# Altium PCB graviton.PcbDoc (part 14 of 15) (continued)
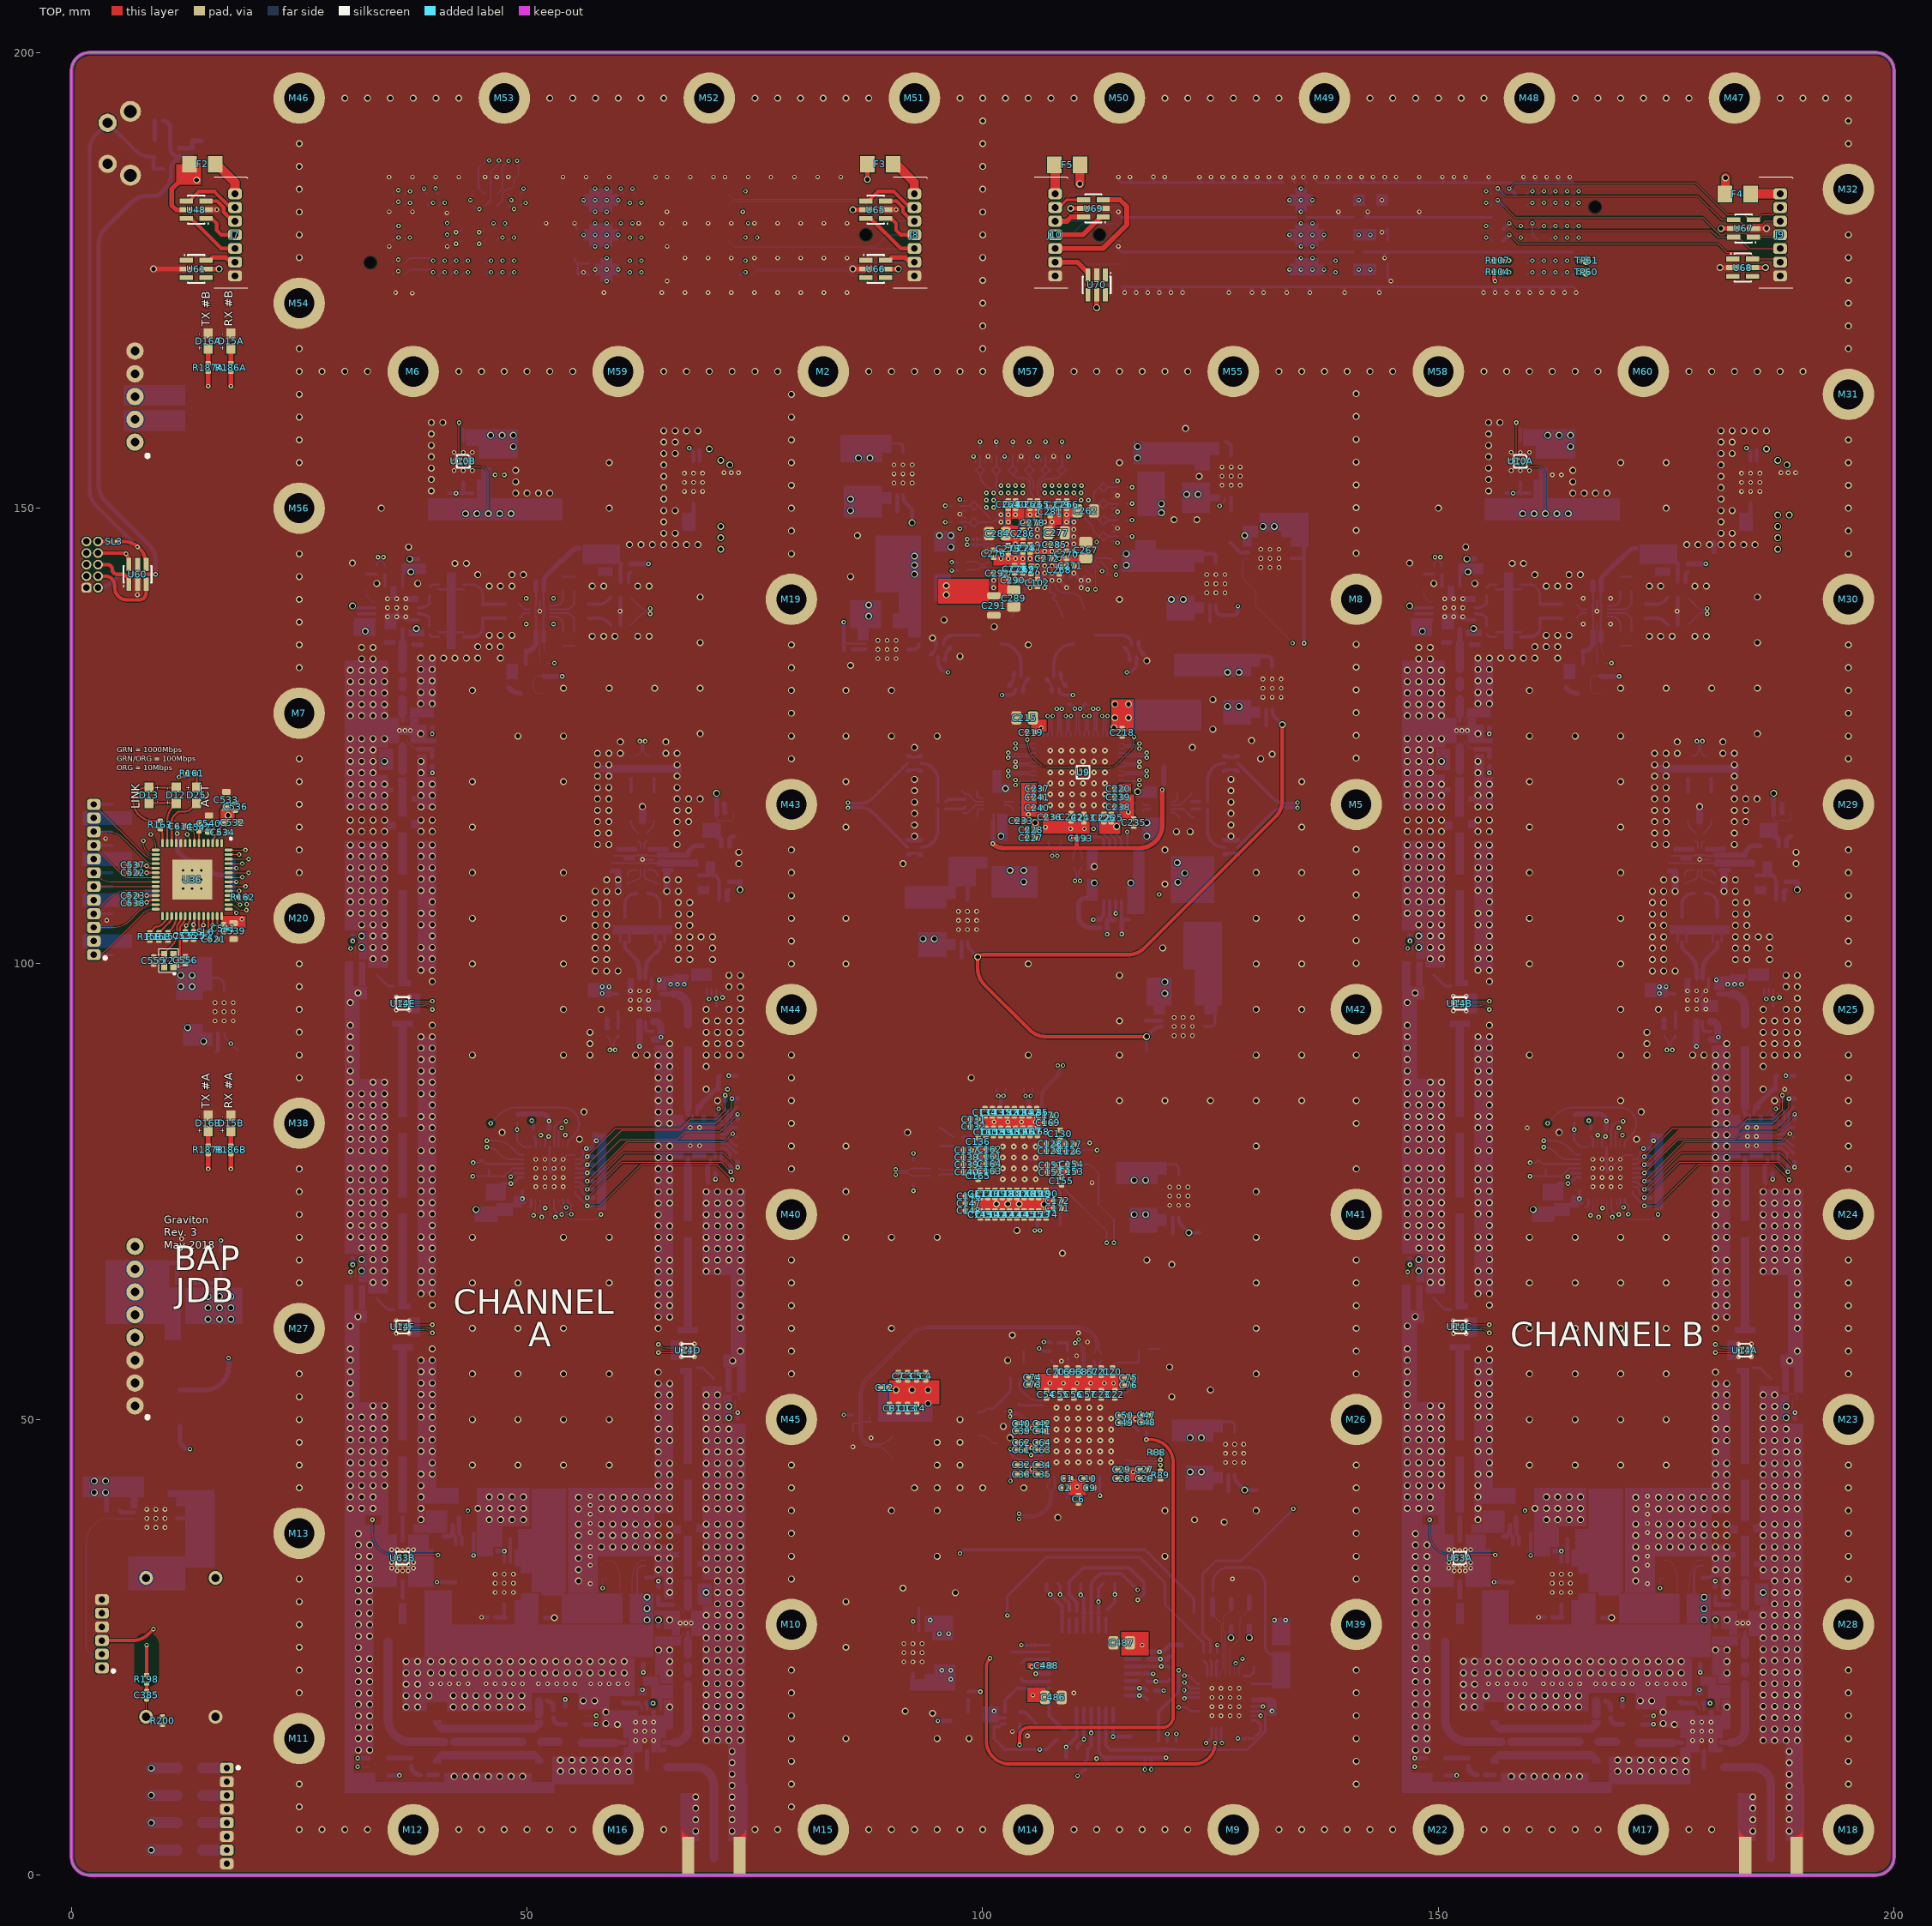
[diagram p0: TOP view]
## Other copper (continued)
  region net GND: 151.97,124.24 151.97,127 150.725,127 150.725,124.24
  region net GND: 150.725,120.75 146,120.75 146,116.925 150.725,116.925
  region net GND: 146,124.24 146,120.75 149.5,120.75 149.5,124.24
  region net GND: 150.725,133.25 146,133.25 146,123.7 150.725,123.7
  rectangle net GND: 153.955,128.175 156,133.25
  region net NetC353B_1: 153.125,128.075 153.125,127.075 155.75,127.075 155.75,128.075
  region net GND: 184.885,9 182.84,9 182.84,3.75 184.885,3.75
  rectangle net GND: 188.115,3.75 190.16,10
  region net GND: 190,20 188.115,20 188.115,10 190,10
  region net GND: 188.115,20 185.275,20 185.275,14.4 188.115,14.4
  region net GND: 168.75,13.023 168.75,10 177.693,10 177.693,13.023
  region net GND: 168.75,10 168.75,10.25 166.5,10.25 166.5,10
  region net GND: 169,9 169,10.25 146,10.25 146,9
  region net GND: 149.12,38.475 146,38.475 146,13.35 149.12,13.35
  region net V29: 179.875,27.625 179.875,30.875 177.275,30.875 177.275,27.625
  region net V28A: 179.875,23.925 179.875,27.5 157.75,27.5 157.75,23.925
  region net NetC494A_2: 176.475,27.625 176.475,30.875 169.8,30.875 169.8,27.625
  region net NetC494A_2: 170.25,31.075 170.25,42.4 166.5,42.4 166.5,31.075
  region net V28A: 167.25,27.1 167.25,30.2 164.6,30.2 164.6,27.1
  region net V28A: 167.25,29.9 167.25,30.95 165.35,30.95 165.35,29.9
  region net NetC494A_2: 166.5,33.9 166.5,35.75 164.6,35.75 164.6,33.9
  region net NetC494A_2: 166.5,33.15 166.5,33.9 165.35,33.9 165.35,33.15
  region net GND: 177.8,20 177.8,23.825 160.5,23.825 160.5,20
  region net GND: 160.5,20 160.5,23.825 152.35,23.825 152.35,20
  region net GND: 147.325,27.85 147.325,32 146,32 146,27.85
  region net GND: 146,37.625 146,31.125 148.725,31.125 148.725,37.625
  region net GND: 166.25,38.25 166.25,42.5 160.5,42.5 160.5,38.25
  region net GND: 162.25,35 162.25,38.25 160.5,38.25 160.5,35
  region net NetC494A_2: 166.5,35.75 166.5,38 165,38 165,35.75
  region net GND: 163.25,36 163.25,38.25 162.25,38.25 162.25,36
  region net GND: 173.75,31 173.75,42.5 170.5,42.5 170.5,31
  region net GND: 180,35 180,42.5 173.75,42.5 173.75,35
  region net GND: 155,18 155,20 152.35,20 152.35,18
  region net GND: 157.25,19 157.25,20 155,20 155,19
  region net GND: 149.35,10.25 149.35,11.225 146,11.225 146,10.25
  region net GND: 147,11.225 147,13.35 146,13.35 146,11.225
  region net GND: 175,18.175 175,20 171.65,20 171.65,18.175
  region net GND: 175,16.253 175,18.175 174.25,18.175 174.25,16.253
  region net GND: 178.15,16.153 178.15,18.075 175,18.075 175,16.153
  region net GND: 181.23,14.038 179.65,14.038 179.65,13.457 181.23,13.457
  region net GND: 180.15,16.9 180.15,18.118 179.65,18.118 179.65,16.9
  region net T2A: 152.782,120.478 151.868,120.478 151.868,116.978 152.782,116.978
  region net GND: 185.65,78.65 185.65,80.5 184.15,80.5 184.15,78.65
  region net GND: 186.65,79.3 186.65,82.8 182,82.8 182,79.3
  region net GND: 183.15,78.65 183.15,79.8 182,79.8 182,78.65
  region net GND: 183.15,82.3 183.15,83.45 181.8,83.45 181.8,82.3
  region net GND: 187.3,82.8 187.3,83.45 186.65,83.45 186.65,82.8
  region net GND: 185.65,82 185.65,83.45 185.15,83.45 185.15,82
  rectangle net R5A: 183.193,84.307 184.107,89.2
  region net V3V8: 96.75,26.75 96.75,28.5 93.65,28.5 93.65,26.75
  region net V3V8: 96.75,25.75 96.75,26.75 94.5,26.75 94.5,25.75
  region net V3: 97,20.25 97,23.125 94.675,23.125 94.675,20.25
  region net V3: 94.675,20.25 94.675,22.1 93.65,22.1 93.65,20.25
  region net V3: 93.65,20.25 93.65,21.5 92,21.5 92,20.25
  region net V3V3-CLK: 94.5,49.75 94.5,54 88.5,54 88.5,49.75
  region net V3V8: 125.311,42.25 125.311,44.965 122.25,44.965 122.25,42.25
  region net V3V8: 126.336,43 126.336,44.25 125.25,44.25 125.25,43
  region net V3V3-CLK: 125.311,47.565 125.311,50 120.75,50 120.75,47.565
  region net V3V3-CLK: 126.336,48.59 126.336,50 125.311,50 125.311,48.59
  region net NetL17A_2: 152.595,30.25 152.595,32.45 152.095,32.45 152.095,30.25
  region net NetL3A_2: 152.595,36.55 152.595,39.425 152.095,39.425 152.095,36.55
  region net T5A: 152.807,39.76 152.807,44.838 151.893,44.838 151.893,39.76
  rectangle net T5A: 151.893,44.838 152.807,45.956
  region net NetL17A_2: 152.775,27.525 152.775,29.86 151.93,29.86 151.93,27.525
  region net V3: 112.625,109.275 111.425,109.275 111.425,106.925 112.625,106.925
  region net GND: 112.625,112.625 111.45,112.625 111.45,110.275 112.625,110.275
  rectangle net V3: 115.875,105.475 117.75,109.275
  rectangle net V3: 116.525,109.275 117.75,112.625
  region net VDDA: 163.7,74.025 163.7,75.85 161.45,75.85 161.45,74.025
  region net VDDA: 163.7,75.275 163.7,76.1 163.05,76.1 163.05,75.275
  region net VDDA: 174.675,73 174.675,81.375 173.725,81.375 173.725,73
  region net VDDA: 173.8,80.275 173.8,81.5 173.2,81.5 173.2,80.275
  region net VCCA: 162.725,71.675 162.725,73.375 160.25,73.375 160.25,71.675
  region net VCCA: 164.45,72.35 164.45,73.725 162.625,73.725 162.625,72.35
  region net VCCA: 165.8,73.625 165.8,74.525 164.55,74.525 164.55,73.625
  region net VCCA: 165.375,73.275 165.375,73.725 164.35,73.725 164.35,73.275
  region net NetC295A_2: 185.07,83.95 185.07,84.25 184.65,84.25 184.65,83.95
  region net GND: 182.045,25.075 180.625,25.075 180.625,21 182.045,21
  region net GND: 182.045,19.25 181.05,19.25 181.05,16.038 182.045,16.038
  region net GND: 177.8,19.65 177.8,20.125 174.975,20.125 174.975,19.65
  region net VCCA: 179.05,19.73 179.05,20.6 178.225,20.6 178.225,19.73
  region net NetC505A_2: 182.045,19.425 182.045,20.875 179.575,20.875 179.575,19.425
  region net NetC505A_2: 180.5,20.8 180.5,21.825 178.75,21.825 178.75,20.8
  region net NetC353A_1: 182.875,25.175 182.875,26.175 180,26.175 180,25.175
  region net GND: 180.625,21.925 180.625,25.075 180.05,25.075 180.05,21.925
  region net GND: 148.225,37.6 148.225,42.5 146,42.5 146,37.6
  region net NetC31A_2: 157.25,37.585 157.25,38.515 153.575,38.515 153.575,37.585
  region net GND: 150.725,39.5 150.725,42.5 147.75,42.5 147.75,39.5
  region net GND: 150.725,32 150.725,39.5 150,39.5 150,32
  region net GND: 151.5,33 151.5,36 150.25,36 150.25,33
  region net GND: 158.5,40.75 158.5,42.5 153.975,42.5 153.975,40.75
  region net GND: 154.75,38.625 154.75,40.75 153.975,40.75 153.975,38.625
  region net GND: 150,32 150,38.475 148.075,38.475 148.075,32
  region net GND: 155.75,31.63 155.75,35.8 152.967,35.8 152.967,31.63
  region net GND: 151.723,31.63 151.723,33.2 149,33.2 149,31.63
  region net GND: 149,37.37 149,35.8 151.723,35.8 151.723,37.37
  region net GND: 152.968,37.37 152.968,35.725 155.2,35.725 155.2,37.37
  region net NetC31A_2: 157.25,38.5 157.25,40 154.865,40 154.865,38.5
  region net V3V8_SNS: 10.75,60.5 10.75,67.5 3.75,67.5 3.75,60.5
  region net V3V8_SNS: 12,60.5 12,64.5 10.75,64.5 10.75,60.5
  region net V3V8: 18.75,60.5 18.75,64.5 12.5,64.5 12.5,60.5
  region net V3: 101.75,16.75 101.75,18.5 100,18.5 100,16.75
  region net V5TELEM: 133.75,20.5 133.75,24.5 131.75,24.5 131.75,20.5
  region net V3: 132,19 132,19.5 129.5,19.5 129.5,19
  region net V3: 132.25,17.5 132.25,19.32 131.25,19.32 131.25,17.5
  region net V5V5: 133.75,25.25 133.75,28.25 131.75,28.25 131.75,25.25
  region net NetC31B_2: 41.25,38.5 41.25,40 38.865,40 38.865,38.5
  region net GND: 36.968,37.37 36.968,35.725 39.2,35.725 39.2,37.37
  region net GND: 33,37.37 33,35.8 35.723,35.8 35.723,37.37
  region net GND: 35.723,31.63 35.723,33.2 33,33.2 33,31.63
  region net GND: 39.75,31.63 39.75,35.8 36.968,35.8 36.968,31.63
  region net GND: 34,32 34,38.475 32.075,38.475 32.075,32
  region net GND: 38.75,38.625 38.75,40.75 37.975,40.75 37.975,38.625
  region net GND: 42.5,40.75 42.5,42.5 37.975,42.5 37.975,40.75
  region net GND: 35.5,33 35.5,36 34.25,36 34.25,33
  region net GND: 34.725,32 34.725,39.5 34,39.5 34,32
  region net GND: 34.725,39.5 34.725,42.5 31.75,42.5 31.75,39.5
  region net NetC31B_2: 41.25,37.585 41.25,38.515 37.575,38.515 37.575,37.585
  region net GND: 32.225,37.6 32.225,42.5 30,42.5 30,37.6
  region net GND: 64.625,21.925 64.625,25.075 64.05,25.075 64.05,21.925
  region net NetC353C_1: 66.875,25.175 66.875,26.175 64,26.175 64,25.175
  region net NetC505B_2: 64.5,20.8 64.5,21.825 62.75,21.825 62.75,20.8
  region net NetC505B_2: 66.045,19.425 66.045,20.875 63.575,20.875 63.575,19.425
  region net VCCB: 63.05,19.73 63.05,20.6 62.225,20.6 62.225,19.73
  region net GND: 61.8,19.65 61.8,20.125 58.975,20.125 58.975,19.65
  region net GND: 66.045,19.25 65.05,19.25 65.05,16.038 66.045,16.038
  region net GND: 66.045,25.075 64.625,25.075 64.625,21 66.045,21
  region net NetC295B_2: 69.07,83.95 69.07,84.25 68.65,84.25 68.65,83.95
  region net VCCB: 49.375,73.275 49.375,73.725 48.35,73.725 48.35,73.275
  region net VCCB: 49.8,73.625 49.8,74.525 48.55,74.525 48.55,73.625
  region net VCCB: 48.45,72.35 48.45,73.725 46.625,73.725 46.625,72.35
  region net VCCB: 46.725,71.675 46.725,73.375 44.25,73.375 44.25,71.675
  region net VDDB: 57.8,80.275 57.8,81.5 57.2,81.5 57.2,80.275
  region net VDDB: 58.675,73 58.675,81.375 57.725,81.375 57.725,73
  region net VDDB: 47.7,75.275 47.7,76.1 47.05,76.1 47.05,75.275
  region net VDDB: 47.7,74.025 47.7,75.85 45.45,75.85 45.45,74.025
  region net NetL17B_2: 36.775,27.525 36.775,29.86 35.93,29.86 35.93,27.525
  rectangle net T5B: 35.893,44.838 36.807,45.956
  region net T5B: 36.807,39.76 36.807,44.838 35.893,44.838 35.893,39.76
  region net NetL3B_2: 36.595,36.55 36.595,39.425 36.095,39.425 36.095,36.55
  region net NetL17B_2: 36.595,30.25 36.595,32.45 36.095,32.45 36.095,30.25
  region net GND: 69.65,82 69.65,83.45 69.15,83.45 69.15,82
  region net GND: 71.3,82.8 71.3,83.45 70.65,83.45 70.65,82.8
  region net GND: 67.15,82.3 67.15,83.45 65.8,83.45 65.8,82.3
  region net GND: 67.15,78.65 67.15,79.8 66,79.8 66,78.65
  region net GND: 70.65,79.3 70.65,82.8 66,82.8 66,79.3
  region net GND: 69.65,78.65 69.65,80.5 68.15,80.5 68.15,78.65
  region net T2B: 36.782,120.478 35.868,120.478 35.868,116.978 36.782,116.978
  region net GND: 64.15,16.9 64.15,18.118 63.65,18.118 63.65,16.9
  region net GND: 65.23,14.038 63.65,14.038 63.65,13.457 65.23,13.457
  region net GND: 62.15,16.153 62.15,18.075 59,18.075 59,16.153
  region net GND: 59,16.253 59,18.175 58.25,18.175 58.25,16.253
  region net GND: 59,18.175 59,20 55.65,20 55.65,18.175
  region net GND: 31,11.225 31,13.35 30,13.35 30,11.225
  region net GND: 33.35,10.25 33.35,11.225 30,11.225 30,10.25
  region net GND: 41.25,19 41.25,20 39,20 39,19
  region net GND: 39,18 39,20 36.35,20 36.35,18
  region net GND: 64,35 64,42.5 57.75,42.5 57.75,35
  region net GND: 57.75,31 57.75,42.5 54.5,42.5 54.5,31
  region net GND: 47.25,36 47.25,38.25 46.25,38.25 46.25,36
  region net NetC494B_2: 50.5,35.75 50.5,38 49,38 49,35.75
  region net GND: 46.25,35 46.25,38.25 44.5,38.25 44.5,35
  region net GND: 50.25,38.25 50.25,42.5 44.5,42.5 44.5,38.25
  region net GND: 30,37.625 30,31.125 32.725,31.125 32.725,37.625
  region net GND: 31.325,27.85 31.325,32 30,32 30,27.85
  region net GND: 44.5,20 44.5,23.825 36.35,23.825 36.35,20
  region net GND: 61.8,20 61.8,23.825 44.5,23.825 44.5,20
  region net NetC494B_2: 50.5,33.15 50.5,33.9 49.35,33.9 49.35,33.15
  region net NetC494B_2: 50.5,33.9 50.5,35.75 48.6,35.75 48.6,33.9
  region net V28B: 51.25,29.9 51.25,30.95 49.35,30.95 49.35,29.9
  region net V28B: 51.25,27.1 51.25,30.2 48.6,30.2 48.6,27.1
  region net NetC494B_2: 54.25,31.075 54.25,42.4 50.5,42.4 50.5,31.075
  region net NetC494B_2: 60.475,27.625 60.475,30.875 53.8,30.875 53.8,27.625
  region net V28B: 63.875,23.925 63.875,27.5 41.75,27.5 41.75,23.925
  region net V29: 63.875,27.625 63.875,30.875 61.275,30.875 61.275,27.625
  region net GND: 33.12,38.475 30,38.475 30,13.35 33.12,13.35
  region net GND: 53,9 53,10.25 30,10.25 30,9
  region net GND: 52.75,10 52.75,10.25 50.5,10.25 50.5,10
  region net GND: 52.75,13.023 52.75,10 61.693,10 61.693,13.023
  region net GND: 72.115,20 69.275,20 69.275,14.4 72.115,14.4
  region net GND: 74,20 72.115,20 72.115,10 74,10
  region net NetC353D_1: 37.125,128.075 37.125,127.075 39.75,127.075 39.75,128.075
  rectangle net GND: 37.955,128.175 40,133.25
  region net GND: 34.725,133.25 30,133.25 30,123.7 34.725,123.7
  region net GND: 30,124.24 30,120.75 33.5,120.75 33.5,124.24
  region net GND: 34.725,120.75 30,120.75 30,116.925 34.725,116.925
  region net GND: 35.97,124.24 35.97,127 34.725,127 34.725,124.24
  region net VCCB: 33.75,123.6 33.75,121.25 35.3,121.25 35.3,123.6
  region net GND: 39,120.5 39,117 40,117 40,120.5
  region net GND: 34.2,119.4 34.2,118.8 35.345,118.8 35.345,119.4
  region net GND: 39,124.75 39,124.25 40,124.25 40,124.75
  region net GND: 38.09,124.24 38.09,126.95 37.21,126.95 37.21,124.24
  region net GND: 38,126.25 38,124.25 39,124.25 39,126.25
  rectangle net GND: 37.965,117 39,123
  region net GND: 38.465,117.8 38.465,118.4 37.32,118.4 37.32,117.8
  region net GND: 65,32.75 65,36.25 64,36.25 64,32.75
  region net GND: 65,28.5 65,29 64,29 64,28.5
  region net GND: 66,27 66,29 65,29 65,27
  region net GND: 74,29.01 74,32.5 70.5,32.5 70.5,29.01
  region net GND: 65.535,35.45 65.535,34.85 66.68,34.85 66.68,35.45
  rectangle net GND: 69.275,32.425 74,40.5
  region net GND: 66.035,36.25 65,36.25 65,30.25 66.035,30.25
  region net R1B: 68.107,37.25 67.193,37.25 67.193,36.25 68.107,36.25
  region net R3B: 68.107,77.793 67.193,77.793 67.193,74.975 68.107,74.975
  rectangle net R1B: 67.193,32.75 68.107,36.25
  rectangle net GND: 69.275,20 74,29.55
  region net VCCB: 70.25,29.65 70.25,32 68.7,32 68.7,29.65
  region net GND: 68.03,29.01 68.03,26.25 69.275,26.25 69.275,29.01
  region net GND: 69.8,33.85 69.8,34.45 68.655,34.45 68.655,33.85
  region net GND: 65.91,29.01 65.91,26.3 66.79,26.3 66.79,29.01
  region net NetC257F_1: 36.807,48.824 35.893,48.824 35.893,47.706 36.807,47.706
  region net GND: 66.975,120.975 66.975,121.85 57.975,121.85 57.975,120.975
  region net GND: 64.7,94.74 64.7,96.04 62.8,96.04 62.8,94.74
  region net GND: 61.7,98.45 61.04,98.45 61.04,96.55 61.7,96.55
  region net RI_VCCB: 67.7,111.6 67.7,112.247 64.225,112.247 64.225,111.6
  region net RI_VSSB: 68.745,110.7 68.745,111.447 64.3,111.447 64.3,110.7
  region net GND: 62.065,112.35 62.065,112.85 59.805,112.85 59.805,112.35
  region net RI_VSSB: 66.025,110.947 66.025,111.147 63.815,111.147 63.815,110.947
  region net RI_VCCB: 65.725,111.747 65.725,111.947 63.815,111.947 63.815,111.747
  region net GND: 65.525,112.35 65.525,112.85 63.265,112.85 63.265,112.35
  region net NetC355B_2: 59.25,97.9 56.65,97.9 56.65,96.35 59.25,96.35
  region net NetC206B_2: 70.275,99.5 68,99.5 68,98.095 70.275,98.095
  region net NetC464B_2: 68.5,147.5 68.5,149.5 67,149.5 67,147.5
  rectangle net VCCB: 45,152.9 46,154.5
  rectangle net VCCB: 44.475,150.55 46,153.15
  rectangle net V5V5: 43.3,156.85 44.7,158.65
  rectangle net V5V5: 44.7,155.45 49,158.65
  rectangle net VCCB: 39.1,148.65 53.9,151.075
  region net RI_VCCB: 61.515,111.747 61.515,111.947 59.5,111.947 59.5,111.747
  region net RI_VSSB: 61.515,110.947 61.515,111.147 59.175,111.147 59.175,110.947
  region net VCCB: 32.5,65.03 32.5,68 31.565,68 31.565,65.03
  region net NetR117B_1: 57.8,143.5 57.8,142.6 59.4,142.6 59.4,143.5
  region net V2V5NIF-TXB: 56.1,146 56.1,143.9 60.2,143.9 60.2,146
  region net V28B: 41.75,23.925 41.75,31.27 38.75,31.27 38.75,23.925
  region net GND: 62.65,13.457 62.65,15.257 61.15,15.257 61.15,13.457
  region net GND: 64.65,13.457 64.65,15.257 63.65,15.257 63.65,13.457
  region net GND: 65.23,17.538 62,17.538 62,15.038 65.23,15.038
  rectangle net GND: 60.57,15.038 62.37,16.4
  rectangle net GND: 60.57,12.757 61.693,14.038
  region net NetC257F_1: 36.807,53.345 35.893,53.345 35.893,48.824 36.807,48.824
  region net NetC257F_1: 36.807,57.587 35.893,57.587 35.893,53.345 36.807,53.345
  region net NetC257F_1: 35.22,58.247 35.22,57.587 37.48,57.587 37.48,58.247
  rectangle net NetC256F_2: 35.893,62.717 36.807,67.213
  region net NetC256F_2: 37.239,62.057 37.239,62.717 35.893,62.717 35.893,62.057
  region net NetC256F_2: 36.807,72.6 35.893,72.6 35.893,71.483 36.807,71.483
  rectangle net T4B: 35.893,74.35 36.807,78
  region net NetC256F_2: 36.807,71.483 35.893,71.483 35.893,67.213 36.807,67.213
  region net R2B: 68.107,38.875 68.107,39.75 67.193,39.75 67.193,38.875
  region net GND: 40,42.5 40,56.506 37.975,56.506 37.975,42.5
  region net GND: 34.725,42.5 34.725,51.9 30,51.9 30,42.5
  rectangle net GND: 37.975,63.8 40,78
  region net GND: 30,78 30,68.175 34.725,68.175 34.725,78
  region net GND: 32.45,60.6 32.45,62 30,62 30,60.6
  region net NetC210F_2: 31.565,64.75 31.565,62.1 32.25,62.1 32.25,64.75
  region net GND: 30.95,64.8 30,64.8 30,62 30.95,62
  region net GND: 31.65,51.9 31.65,60.6 30,60.6 30,51.9
  region net GND: 34.725,63.8 34.725,68.175 32.6,68.175 32.6,63.8
  region net GND: 38.255,59.06 38.255,61.244 37.05,61.244 37.05,59.06
  region net GND: 38.255,94.56 38.255,96.744 37.05,96.744 37.05,94.56
  region net GND: 32.45,96.1 32.45,97.5 30,97.5 30,96.1
  region net GND: 30.95,100.3 30,100.3 30,97.5 30.95,97.5
  region net GND: 31.65,87.4 31.65,96.1 30,96.1 30,87.4
  region net VCCB: 32.5,100.53 32.5,103.5 31.565,103.5 31.565,100.53
  region net GND: 40,78 40,92.006 37.975,92.006 37.975,78
  rectangle net GND: 37.975,99.3 40,113.5
  region net GND: 34.725,99.6 34.725,103.675 32.6,103.675 32.6,99.6
  region net GND: 34.725,78 34.725,87.4 30,87.4 30,78
  region net GND: 30,113.5 30,103.675 34.725,103.675 34.725,113.5
  region net NetC257E_1: 36.807,88.845 35.893,88.845 35.893,84.324 36.807,84.324
  rectangle net NetC256E_2: 35.893,98.217 36.807,102.713
  rectangle net T3B: 35.893,109.85 36.807,113.725
  region net NetC256E_2: 36.807,106.983 35.893,106.983 35.893,102.713 36.807,102.713
  region net NetC257E_1: 36.807,93.087 35.893,93.087 35.893,88.845 36.807,88.845
  region net T4B: 36.807,78 36.807,80.338 35.893,80.338 35.893,78
  region net NetC257E_1: 36.807,84.324 35.893,84.324 35.893,83.206 36.807,83.206
  region net NetC256E_2: 36.807,108.1 35.893,108.1 35.893,106.983 36.807,106.983
  region net NetC256E_2: 37.239,97.557 37.239,98.217 35.893,98.217 35.893,97.557
  region net NetC257E_1: 35.22,93.747 35.22,93.087 37.48,93.087 37.48,93.747
  rectangle net T4B: 35.893,80.338 36.807,81.456
  region net NetC210E_2: 31.565,100.25 31.565,97.6 32.25,97.6 32.25,100.25
  region net T2B: 36.807,116.125 36.807,117 35.893,117 35.893,116.125
  region net T3B: 35.893,114.4 35.893,113.5 36.807,113.5 36.807,114.4
  region net GND: 35.571,115.637 34.671,115.637 34.671,114.722 35.571,114.722
  rectangle net GND: 37.271,114.863 38.171,115.778
  region net GND: 65.745,58.69 65.745,56.506 66.95,56.506 66.95,58.69
  region net GND: 71.55,57.15 71.55,55.75 74,55.75 74,57.15
  rectangle net GND: 73.05,52.95 74,55.75
  region net GND: 72.35,65.85 72.35,57.15 74,57.15 74,65.85
  region net VCCB: 71.5,52.72 71.5,49.75 72.435,49.75 72.435,52.72
  region net GND: 64,91 64,61.244 66.025,61.244 66.025,91
  region net GND: 66.025,53.95 64,53.95 64,39.75 66.025,39.75
  region net GND: 69.275,53.65 69.275,49.575 71.4,49.575 71.4,53.65
  region net GND: 69.275,75.25 69.275,65.85 74,65.85 74,75.25
  region net GND: 74,39.75 74,49.575 69.275,49.575 69.275,39.75
  region net NetC210D_2: 72.435,53 72.435,55.65 71.75,55.65 71.75,53
  rectangle net NetC257D_1: 67.193,64.405 68.107,68.926
  region net NetC256D_2: 68.107,55.693 67.193,55.693 67.193,50.537 68.107,50.537
  region net R2B: 68.107,43.4 67.193,43.4 67.193,39.75 68.107,39.75
  rectangle net NetC256D_2: 67.193,46.267 68.107,50.537
  rectangle net NetC257D_1: 67.193,60.163 68.107,64.405
  region net R3B: 67.193,75.25 67.193,72.912 68.107,72.912 68.107,75.25
  rectangle net NetC257D_1: 67.193,68.926 68.107,70.044
  rectangle net NetC256D_2: 67.193,45.15 68.107,46.267
  region net NetC256D_2: 66.761,55.693 66.761,55.033 68.107,55.033 68.107,55.693
  region net NetC257D_1: 68.78,59.503 68.78,60.163 66.52,60.163 66.52,59.503
  region net R3B: 68.107,72.912 67.193,72.912 67.193,71.794 68.107,71.794
  region net GND: 66.871,38.387 65.971,38.387 65.971,37.472 66.871,37.472
  rectangle net GND: 68.571,37.613 70,38.528
  region net NetC355B_2: 67.57,97.5 67.57,98.62 64.25,98.62 64.25,97.5
  region net NetC355B_2: 65.325,97.075 65.325,97.5 64.25,97.5 64.25,97.075
  region net GND: 65.955,103.25 65.955,104.25 59.375,104.25 59.375,103.25
  region net NetR38B_1: 70,107.625 70,108.505 68.725,108.505 68.725,107.625
  region net V2V5NIF-RXB: 70.625,109.95 70.625,111.25 69.605,111.25 69.605,109.95
  region net V2V5NIF-RXB: 70.625,109.5 70.625,109.95 68.725,109.95 68.725,109.5
  region net V2V5IF-RXB: 71.25,113.83 71.25,115.5 69.275,115.5 69.275,113.83
  region net RI_VCCB: 61.8,111.35 61.8,111.85 60.6,111.85 60.6,111.35
  region net GND: 35.69,136.715 35.69,138.5 34.39,138.5 34.39,136.715
  region net GND: 35.69,140 35.69,141.435 35.04,141.435 35.04,140
  rectangle net GND: 36.615,139.725 38.05,140.375
  region net NetC368B_2: 33.33,136 33.33,137.925 31,137.925 31,136
  region net NetC368B_2: 38.9,142.775 38.9,143.95 36.35,143.95 36.35,142.775
  region net NetC368B_2: 38.75,135.93 38.75,136.715 36.99,136.715 36.99,135.93
  region net GND: 42.19,134.53 42.19,142.97 41.19,142.97 41.19,134.53
  rectangle net TI_VCCB: 50.9,135.21 51.1,137.55
  rectangle net TI_VSSB: 51.7,135.535 51.9,137.55
  region net V2V5IF-TXB: 49.015,131.25 49.015,132.9 47.75,132.9 47.75,131.25
  region net NetC494B_2: 54,30.7 54,31.4 51.6,31.4 51.6,30.7
  rectangle net R5B: 67.193,88.75 68.107,90.925
  rectangle net R5B: 67.193,84.307 68.107,89.2
  pour cut-out: 168.9,10.25 168.9,19.27 154.27,19.27 154.27,10.25
  pour cut-out: 154.01,31.9 154.01,23.925 150.77,23.925 150.77,31.9
  pour cut-out: 152.36,31.63 152.36,21.935 149.12,21.935 149.12,31.63
  pour cut-out: 183.2,10.232 177.735,10.232 177.735,13.472 183.2,13.472
  pour cut-out: 184.875,0 184.875,8.59 188.115,8.59 188.115,0
  pour cut-out: 182.035,16.216 182.035,25.466 185.66,25.466 185.66,16.216
  pour cut-out: 68.875,0 68.875,8.59 72.115,8.59 72.115,0
  pour cut-out: 59.75,125.25 65.525,125.25 65.525,105.25 59.75,105.25
  pour cut-out: 182.025,30.25 182.025,44.856 185.65,44.856 185.65,30.25
  pour cut-out: 51.21,18.45 51.21,16.675 40.07,16.675 40.07,18.45
  pour cut-out: 51.3,10.825 51.3,12.6 40.16,12.6 40.16,10.825
  pour cut-out: 169.2,141.11 180.5,141.11 180.5,136.39 169.2,136.39
  pour cut-out: 160,141.11 165.95,141.11 165.95,136.39 160,136.39
  pour cut-out: 161.5,142.11 154.05,142.11 154.05,135.39 161.5,135.39
  pour cut-out: 181.025,108.25 176.125,108.25 176.125,113.367 181.025,113.367
  pour cut-out: 175.75,125.25 181.525,125.25 181.525,105.25 175.75,105.25
  pour cut-out: 174.145,73.45 173.255,73.45 173.255,79.75 174.145,79.75
  pour cut-out: 150.725,37.37 150.725,57.08 154.35,57.08 154.35,37.37
  pour cut-out: 150.725,82.934 150.725,63.224 154.35,63.224 154.35,82.934
  pour cut-out: 150.725,112.5 150.725,98.724 154.35,98.724 154.35,112.5
  pour cut-out: 150.715,132.75 150.715,128.5 154.34,128.5 154.34,132.75
  pour cut-out: 182.025,94.75 182.025,85.5 185.65,85.5 185.65,94.75
  pour cut-out: 182.025,62.25 182.025,71.5 185.65,71.5 185.65,62.25
  pour cut-out: 169.2,134 169.2,143.5 172.5,143.5 172.5,134
  region net GND: 190,5.2 cw(c189,5.2) 189,4.2 190,4.2
  region net GND: 184,4.2 cw(c184,5.2) 183,5.2 183,4.2
  region net GND: 74,5.2 cw(c73,5.2) 73,4.2 74,4.2
  region net GND: 68,4.2 cw(c68,5.2) 67,5.2 67,4.2

## Silkscreen, mask and mechanical layers (free items; w line width, h text height)
Top Overlay:
  circle w0.2: c11.3,98.925 r0.1
  region: 298,39
  region: 298,39
  region: 298,39
  region: 298,39
  region: 298,39
  region: 298,39
  region: 298,39
  region: 298,39
  region: 298,39
  region: 298,39
  region: 298,39
  region: 298,39
  region: 298,39
  region: 298,39
  region: 298,39
  region: 298,39
  region: 298,39
  region: 298,39
  lines w0.127: 903.8,620.525 903.8,621.025 ; 906.7,623.025 906.7,623.525 ; 909.8,620.525 909.8,621.025
  text "CLOCK IN" at 902.7,625.525 h1.52
  text "CLK" at 905.4,623.725 h1.52
  text "TX/RX : CH. B.2" at 835.75,619.425 h1.52
  text "TX/RX : CH. B.1" at 885.75,619.425 h1.52
  text "TX/RX : CH. A.2" at 935.75,619.425 h1.52
  text "TX/RX : CH. A.1" at 985.75,619.425 h1.52
  text "5V" at 903,619.325 h1.52
  text "5V" at 909,619.325 h1.52
  text "TX #B" at 15.5,169.95 h1.52 r90
  text "RX #B" at 18,169.95 h1.52 r90
  text "GRN = 1000Mbps / GRN/ORG = 100Mbps / ORG = 10Mbps" at 5,121 h1
  text "ACT" at 15.425,117.175 h1.52 r90
  text "LINK" at 7.8,117 h1.52 r90
  text "TX #A" at 15.5,84.1 h1.52 r90
  text "RX #A" at 18,84.1 h1.52 r90
  text "Graviton / Rev. 3 / May 2018" at 10.16,68.453 h1.4
  text "BAP" at 11.258,65.468 h4.57
  text "JDB" at 11.407,61.954 h4.57
  text "CHANNEL" at 41.9,60.695 h4.57
  text "A" at 50.134,57.131 h4.57
  text "CHANNEL B" at 157.9,57.1 h4.57
Bottom Overlay:
  text "V1V2-D-DAC" at 120.25,153.5 h0.76 r270
  text "GND" at 145.25,151.25 h1.52 r270
  text "GND" at 12.25,147.75 h1.52 r270
  text "VCCB" at 42.25,147.5 h1.52
  text "VCCA" at 158.25,147.5 h1.52
  text "VSSB" at 70,145.5 h1.52 r270
  text "VSSA" at 186,145.5 h1.52 r270
  text "V3V3-DAC" at 119,141.75 h0.76 r270
  text "DAC" at 122.089,138.799 h4.57
  text "V1V2-A-DAC" at 93.25,138.75 h0.76
  text "GND" at 67.75,133.75 h1.52 r270
  text "GND" at 185.25,131.25 h1.52 r270
  text "V1V8-D-ADC" at 127.5,130.25 h0.76
  text "ADC" at 103.002,123.799 h4.57
  text "GND" at 47.75,113.75 h1.52 r270
  text "GND" at 162.75,111.25 h1.52 r270
  text "V1V8-A-ADC" at 89.5,105.25 h0.76 r270
  text "V3V3-ETH" at 12,102 h0.76
  text "V3V3-ADC" at 122.25,100 h0.76
  text "GND" at 47.75,93.75 h1.52 r270
  text "GND" at 162.75,91.25 h1.52 r270
  text "SYNTH" at 99.734,84.051 h4.57
  text "PLL1 LD" at 92.5,81.9 h1.52
  text "PLL2 LD" at 92.5,80.1 h1.52
  text "V3V3-SYNTH" at 112.75,75.25 h0.76 r270
  text "SYNTH LD" at 109.4,67 h1.52 r270
  text "CHANNEL" at 61,66.595 h4.57
  text "CHANNEL" at 177,66.595 h4.57
  text "A" at 52.766,63.031 h4.57
  text "B" at 168.5,63.031 h4.57
  text "GND" at 121.5,63 h1.52 r270
  text "GND" at 42.75,58.75 h1.52 r270
  text "GND" at 160.25,56.25 h1.52 r270
  text "CLOCK" at 134.25,53.299 h4.57
  text "GND" at 52.75,48.75 h1.52 r270
  text "V3V3-CLK" at 119,47 h0.76 r270
  text "GND" at 170.25,46.25 h1.52 r270
  text "GND" at 130.25,33.75 h1.52 r270
  text "MCU" at 106.5,27.299 h4.57
Top Solder:
  region: 84,4.4 84,164.75 73.9,164.75 73.9,4.4
  region: 146,4.4 146,168 135.9,168 135.9,4.4
  region: 200,0 200,6.775 190.2,6.775 190.2,0
  region: 200,4.4 200,192.7 189.9,192.7 189.9,4.4
  region: 182.8,10.1 143.675,10.1 143.675,0 182.8,0
  region: 84,0 84,6.85 74.2,6.85 74.2,0
  region: 144.2,10.1 82.7,10.1 82.7,0 144.2,0
  region: 66.8,10.1 28.525,10.1 28.525,0 66.8,0
  region: 30.1,0 30.1,200 19.9,200 19.9,0
  rectangle: 27.6,189.9 200,200
  rectangle: 30.1,159.9 190,170.1
  region: 105.1,168.3 105.1,191.625 94.9,191.625 94.9,168.3
  region: 85,159.9 ccw(c85,158.9) 84,158.9 84,159.9
  region: 147,159.9 ccw(c147,158.9) 146,158.9 146,159.9
  region: 147,10.1 cw(c147,11.1) 146,11.1 146,10.1
  region: 85,10.1 cw(c85,11.1) 84,11.1 84,10.1
  region: 135.9,158.9 ccw(c134.9,158.9) 134.9,159.9 135.9,159.9
  region: 105.1,188.9 cw(c106.1,188.9) 106.1,189.9 105.1,189.9
  region: 31.1,10.1 cw(c31.1,11.1) 30.1,11.1 30.1,10.1
  region: 135.9,11.1 cw(c134.9,11.1) 134.9,10.1 135.9,10.1
  region: 72.9,159.9 cw(c72.9,158.9) 73.9,158.9 73.9,159.9
  region: 30.1,158.9 cw(c31.1,158.9) 31.1,159.9 30.1,159.9
  region: 105.1,188.9 cw(c106.1,188.9) 106.1,189.9 105.1,189.9
  region: 106.1,170.1 cw(c106.1,171.1) 105.1,171.1 105.1,170.1
  region: 189.9,171.1 cw(c188.9,171.1) 188.9,170.1 189.9,170.1
  region: 188.9,189.9 cw(c188.9,188.9) 189.9,188.9 189.9,189.9
  region: 93.9,189.9 cw(c93.9,188.9) 94.9,188.9 94.9,189.9
  region: 94.9,171.1 cw(c93.9,171.1) 93.9,170.1 94.9,170.1
  region: 31.1,170.1 cw(c31.1,171.1) 30.1,171.1 30.1,170.1
  region: 30.1,188.9 cw(c31.1,188.9) 31.1,189.9 30.1,189.9
  region: 188.9,159.9 cw(c188.9,158.9) 189.9,158.9 189.9,159.9
  region: 105.1,188.9 cw(c106.1,188.9) 106.1,189.9 105.1,189.9